# Altium PCB S6.PcbDoc (part 8 of 14) (continued)
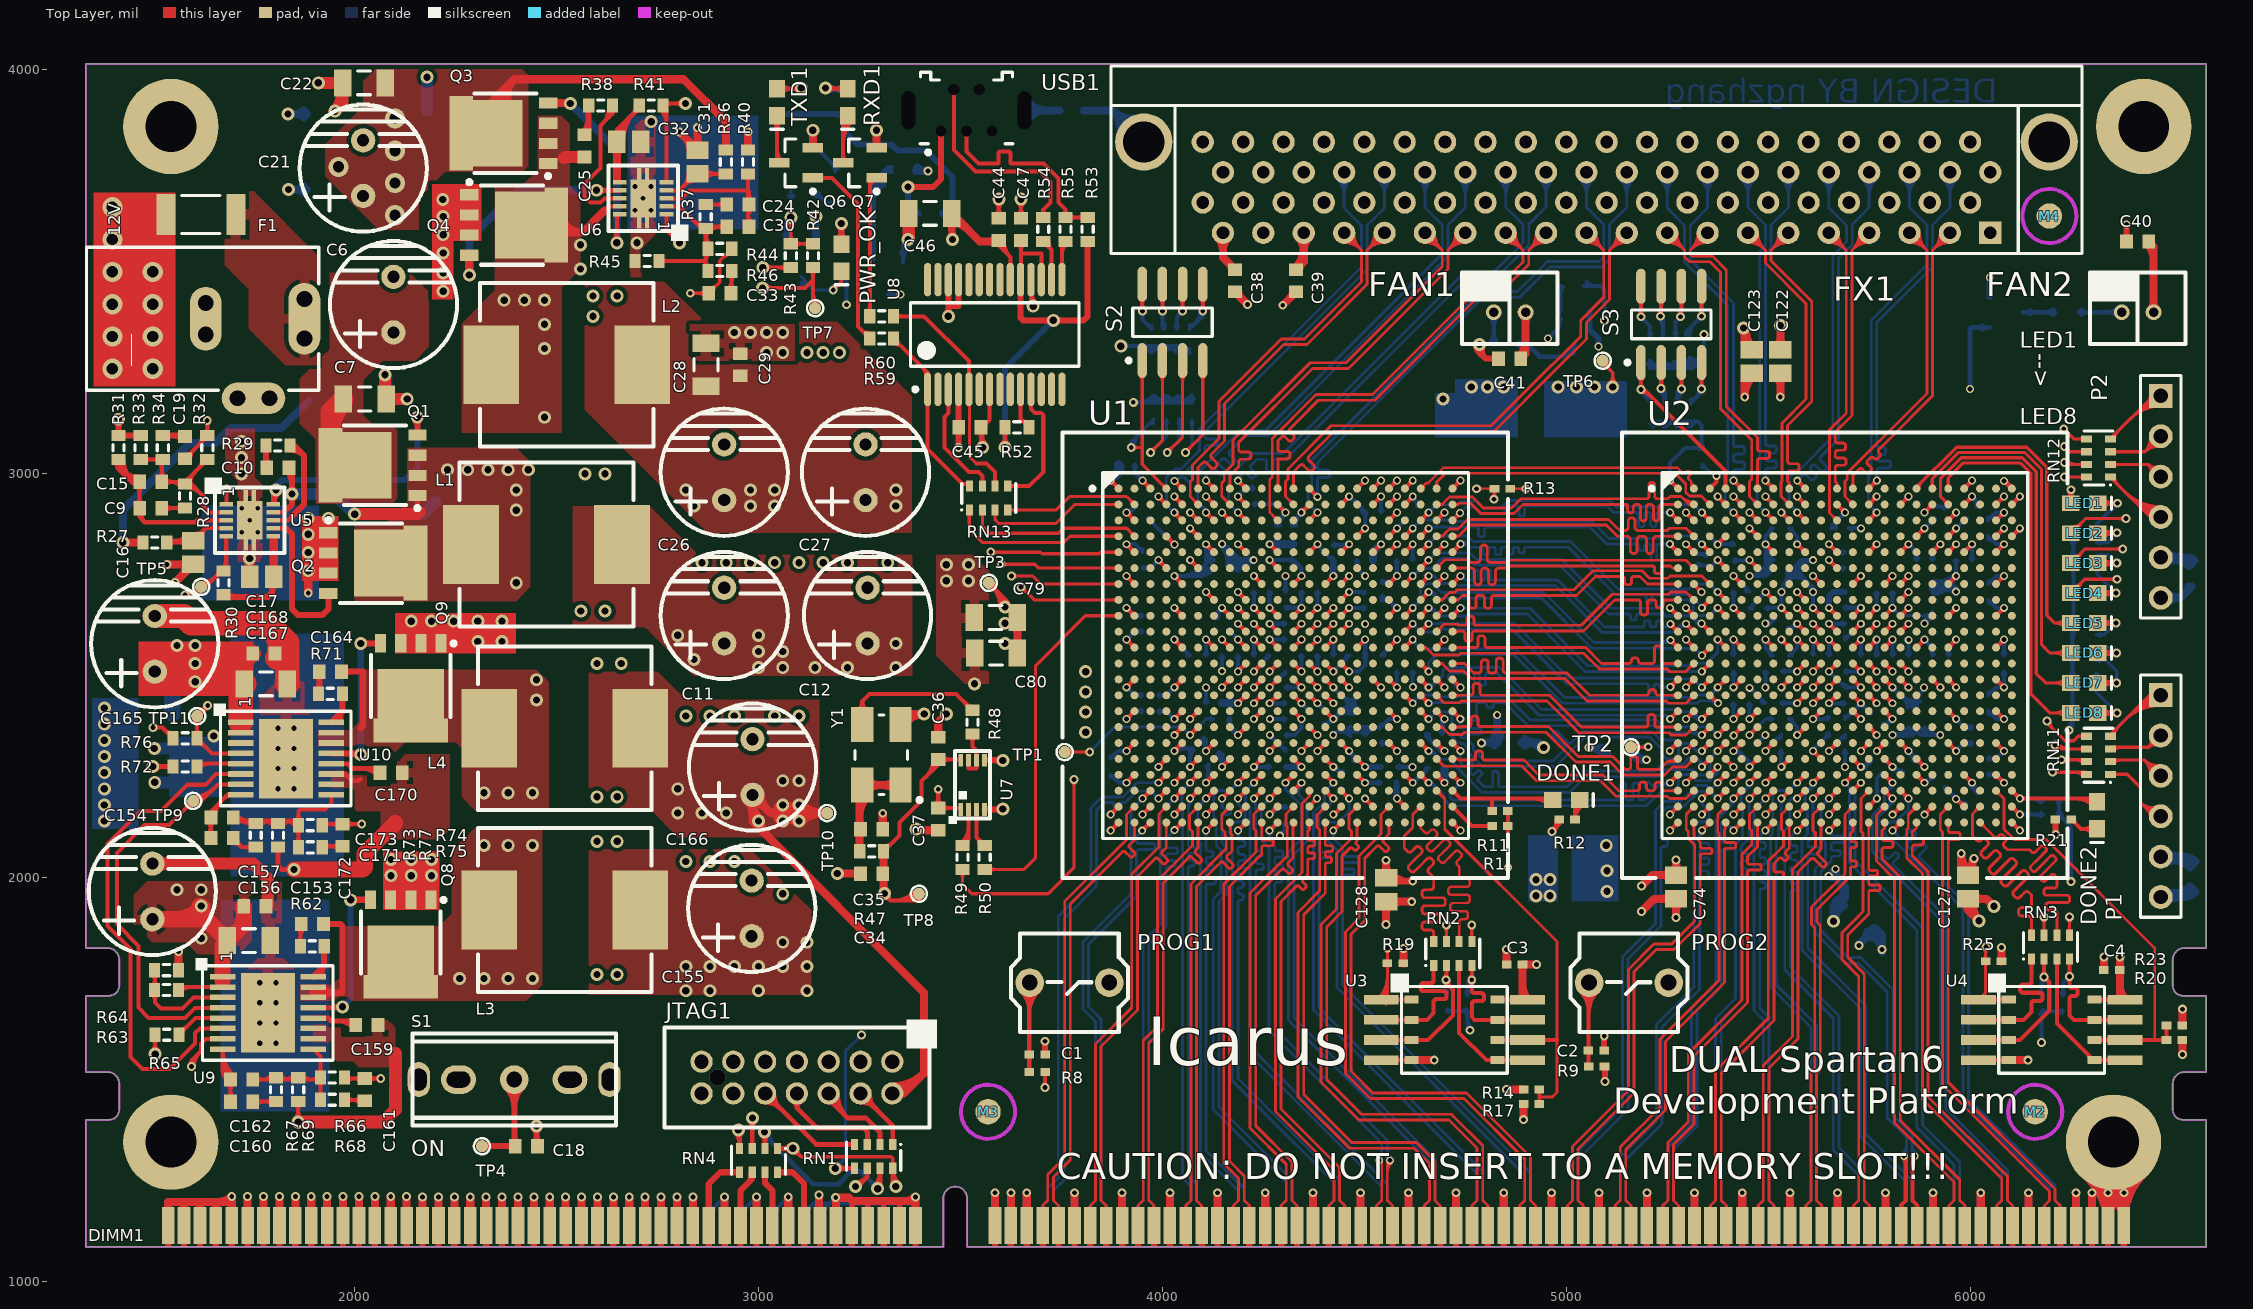
[diagram p0: Top Layer view]
## Nets (pads, with @x,y where several pads share a name; then routed paths per layer and width w, separated by ;. In a path a pad name is that pad's centre, name@x,y a point inside that pad or via, vN(x,y) a via of type N, cw(c..) or ccw(c..) an arc to the next point about the centre after c; other vN are vias at no path point) (continued)
ccw(c5299.45,2648.43) 5307.72,2656.69 ccw(c5315.98,2664.96) U2.J2@5315.98,2653.27 ; U2.E2@5311.14,2805.91 ccw(c5299.45,2805.91) 5307.72,2814.17 ccw(c5315.98,2822.44) U2.E2@5315.98,2810.75 ; v1(5375,2825) 5375,2825.55 U2.D4@5394.72,2845.28 ; v1@5375,2829.84 ccw(c5375,2840.2) 5382.33,2832.88 ; v1@5379.84,2825 cw(c5392.86,2825) 5383.66,2834.21 ; U2.D4@5389.88,2845.28 cw(c5378.19,2845.28) 5386.46,2837.01 cw(c5394.72,2828.74) U2.D4@5394.72,2840.43 ; U2.V4@5394.72,2289.25 cw(c5394.72,2279.54) 5401.59,2286.41 ; U2.V4@5394.72,2294.09 5394.72,2293.28 v1(5414,2274) ; U2.V4@5399.57,2294.09 ccw(c5413.23,2294.09) 5403.57,2284.43 ; v1@5409.16,2274 ccw(c5397.47,2274) 5405.73,2282.27 ccw(c5414,2290.53) v1@5414,2278.84 ; v1(5414.41,2156.3) U2.AA5@5434.09,2175.98 ; v1@5414.41,2161.14 ccw(c5414.41,2172.83) 5422.68,2164.56 ccw(c5430.94,2156.3) v1@5419.25,2156.3 ; v1(5414.41,2392.52) U2.R5@5434.09,2412.2 ; v1@5414.41,2397.36 ccw(c5414.41,2409.05) 5422.68,2400.79 ccw(c5430.94,2392.52) v1@5419.25,2392.52 ; v1@5414.41,2584.53 cw(c5414.41,2572.84) 5422.68,2581.1 cw(c5430.94,2589.37) v1@5419.25,2589.37 ; v1(5414.41,2589.37) U2.L5@5434.09,2569.69 ; v1@5414.41,2742.01 cw(c5414.41,2730.32) 5422.68,2738.58 cw(c5430.94,2746.85) v1@5419.25,2746.85 ; v1(5414.41,2746.85) U2.G5@5434.09,2727.17 ; v1@5414.41,2938.86 cw(c5414.41,2927.17) 5422.68,2935.44 cw(c5430.94,2943.7) v1@5419.25,2943.7 ; v1(5414.41,2943.7) U2.B5@5434.09,2924.02 ; U2.AA5@5429.25,2175.98 cw(c5417.56,2175.98) 5425.83,2167.72 cw(c5434.09,2159.45) U2.AA5@5434.09,2171.14 ; U2.R5@5429.25,2412.2 cw(c5417.56,2412.2) 5425.83,2403.94 cw(c5434.09,2395.67) U2.R5@5434.09,2407.36 ; U2.L5@5429.25,2569.69 ccw(c5417.56,2569.69) 5425.83,2577.95 ccw(c5434.09,2586.22) U2.L5@5434.09,2574.53 ; U2.G5@5429.25,2727.17 ccw(c5417.56,2727.17) 5425.83,2735.43 ccw(c5434.09,2743.7) U2.G5@5434.09,2732.01 ; U2.B5@5429.25,2924.02 ccw(c5417.56,2924.02) 5425.83,2932.28 ccw(c5434.09,2940.55) U2.B5@5434.09,2928.86 ; v1(5493.15,2235.04) U2.W7@5512.83,2254.72 ; v1@5493.15,2239.88 ccw(c5493.15,2251.57) 5501.42,2243.31 ccw(c5509.68,2235.04) v1@5497.99,2235.04 ; v1(5493.15,2313.78) U2.U7@5512.83,2333.46 ; v1@5493.15,2318.62 ccw(c5493.15,2330.31) 5501.42,2322.05 ccw(c5509.68,2313.78) v1@5497.99,2313.78 ; v1@5493.15,2702.64 cw(c5493.15,2690.95) 5501.42,2699.21 cw(c5509.68,2707.48) v1@5497.99,2707.48 ; v1(5493.15,2707.48) U2.H7@5512.83,2687.8 ; v1@5493.15,2820.75 cw(c5493.15,2809.06) 5501.42,2817.32 cw(c5509.68,2825.59) v1@5497.99,2825.59 ; v1(5493.15,2825.59) U2.E7@5512.83,2805.91 ; U2.W7@5507.99,2254.72 cw(c5496.3,2254.72) 5504.57,2246.46 cw(c5512.83,2238.19) U2.W7@5512.83,2249.88 ; U2.U7@5507.99,2333.46 cw(c5496.3,2333.46) 5504.57,2325.2 cw(c5512.83,2316.93) U2.U7@5512.83,2328.62 ; U2.H7@5507.99,2687.8 ccw(c5496.3,2687.8) 5504.57,2696.06 ccw(c5512.83,2704.33) U2.H7@5512.83,2692.64 ; U2.E7@5507.99,2805.91 ccw(c5496.3,2805.91) 5504.57,2814.17 ccw(c5512.83,2822.44) U2.E7@5512.83,2810.75 ; v1(5571.89,2156.3) U2.AA9@5591.57,2175.98 ; v1@5571.89,2161.14 ccw(c5571.89,2172.83) 5580.16,2164.56 ccw(c5588.42,2156.3) v1@5576.73,2156.3 ; v1(5571.89,2471.26) U2.N9@5591.57,2490.95 ; v1@5571.89,2476.1 ccw(c5571.89,2487.79) 5580.16,2479.53 ccw(c5588.42,2471.26) v1@5576.73,2471.26 ; v1@5571.89,2584.53 cw(c5571.89,2572.84) 5580.16,2581.1 cw(c5588.42,2589.37) v1@5576.73,2589.37 ; v1(5571.89,2589.37) U2.L9@5591.57,2569.69 ; v1@5571.89,2663.27 cw(c5571.89,2651.58) 5580.16,2659.84 cw(c5588.42,2668.11) v1@5576.73,2668.11 ; v1(5571.89,2668.11) U2.J9@5591.57,2648.43 ; v1@5571.89,2938.86 cw(c5571.89,2927.17) 5580.16,2935.44 cw(c5588.42,2943.7) v1@5576.73,2943.7 ; v1(5571.89,2943.7) U2.B9@5591.57,2924.02 ; U2.AA9@5586.73,2175.98 cw(c5575.04,2175.98) 5583.31,2167.72 cw(c5591.57,2159.45) U2.AA9@5591.57,2171.14 ; U2.N9@5586.73,2490.95 cw(c5575.04,2490.95) 5583.31,2482.68 cw(c5591.57,2474.41) U2.N9@5591.57,2486.1 ; U2.L9@5586.73,2569.69 ccw(c5575.04,2569.69) 5583.31,2577.95 ccw(c5591.57,2586.22) U2.L9@5591.57,2574.53 ; U2.J9@5586.73,2648.43 ccw(c5575.04,2648.43) 5583.31,2656.69 ccw(c5591.57,2664.96) U2.J9@5591.57,2653.27 ; U2.B9@5586.73,2924.02 ccw(c5575.04,2924.02) 5583.31,2932.28 ccw(c5591.57,2940.55) U2.B9@5591.57,2928.86 ; v1@5609,2314 v1@5610,2315 ; v1@5611.26,2308.94 cw(c5611.26,2297.24) 5619.53,2305.51 ; v1(5611.26,2313.78) U2.V10@5630.94,2294.09 ; v1(5611.26,2431.89) U2.P10@5630.94,2451.57 ; v1@5611.26,2436.73 ccw(c5611.26,2448.42) 5619.53,2440.16 ccw(c5627.79,2431.89) v1@5616.1,2431.89 ; v1(5611.26,2510.63) U2.M10@5630.94,2530.32 ; v1@5611.26,2515.47 ccw(c5611.26,2527.16) 5619.53,2518.9 ccw(c5627.79,2510.63) v1@5616.1,2510.63 ; v1@5611.26,2623.9 cw(c5611.26,2612.21) 5619.53,2620.47 cw(c5627.79,2628.74) v1@5616.1,2628.74 ; v1(5611.26,2628.74) U2.K10@5630.94,2609.06 ; v1@5616.1,2313.78 ccw(c5627.79,2313.78) 5619.52,2305.52 ; U2.V10@5626.1,2294.09 ccw(c5614.41,2294.09) 5622.68,2302.36 ccw(c5630.94,2310.63) U2.V10@5630.94,2298.94 ; U2.P10@5626.1,2451.57 cw(c5614.41,2451.57) 5622.68,2443.31 cw(c5630.94,2435.04) U2.P10@5630.94,2446.73 ; U2.M10@5626.1,2530.32 cw(c5614.41,2530.32) 5622.68,2522.05 cw(c5630.94,2513.78) U2.M10@5630.94,2525.47 ; U2.K10@5626.1,2609.06 ccw(c5614.41,2609.06) 5622.68,2617.32 ccw(c5630.94,2625.59) U2.K10@5630.94,2613.9 ; v1(5650.63,2471.26) U2.N11@5670.31,2490.95 ; v1@5650.63,2476.1 ccw(c5650.63,2487.79) 5658.9,2479.53 ccw(c5667.16,2471.26) v1@5655.47,2471.26 ; v1@5650.63,2584.53 cw(c5650.63,2572.84) 5658.9,2581.1 cw(c5667.16,2589.37) v1@5655.47,2589.37 ; v1(5650.63,2589.37) U2.L11@5670.31,2569.69 ; v1@5650.63,2663.27 cw(c5650.63,2651.58) 5658.9,2659.84 cw(c5667.16,2668.11) v1@5655.47,2668.11 ; v1(5650.63,2668.11) U2.J11@5670.31,2648.43 ; v1@5650.63,2820.75 cw(c5650.63,2809.06) 5658.9,2817.32 cw(c5667.16,2825.59) v1@5655.47,2825.59 ; v1(5650.63,2825.59) U2.E11@5670.31,2805.91 ; U2.N11@5665.47,2490.95 cw(c5653.78,2490.95) 5662.05,2482.68 cw(c5670.31,2474.41) U2.N11@5670.31,2486.1 ; U2.L11@5665.47,2569.69 ccw(c5653.78,2569.69) 5662.05,2577.95 ccw(c5670.31,2586.22) U2.L11@5670.31,2574.53 ; U2.J11@5665.47,2648.43 ccw(c5653.78,2648.43) 5662.05,2656.69 ccw(c5670.31,2664.96) U2.J11@5670.31,2653.27 ; U2.E11@5665.47,2805.91 ccw(c5653.78,2805.91) 5662.05,2814.17 ccw(c5670.31,2822.44) U2.E11@5670.31,2810.75 ; U2.P12@5709.69,2446.73 cw(c5709.69,2435.04) 5717.95,2443.31 cw(c5726.22,2451.57) U2.P12@5714.53,2451.57 ; U2.P12@5709.69,2451.57 v1(5729.37,2431.89) ; U2.M12@5709.69,2525.47 cw(c5709.69,2513.78) 5717.95,2522.05 cw(c5726.22,2530.32) U2.M12@5714.53,2530.32 ; U2.M12@5709.69,2530.32 v1(5729.37,2510.63) ; U2.K12@5709.69,2609.06 v1(5729.37,2628.74) ; U2.K12@5709.69,2613.9 ccw(c5709.69,2625.59) 5717.95,2617.32 ccw(c5726.22,2609.06) U2.K12@5714.53,2609.06 ; v1@5724.53,2431.89 ccw(c5712.84,2431.89) 5721.1,2440.16 ccw(c5729.37,2448.42) v1@5729.37,2436.73 ; v1@5724.53,2510.63 ccw(c5712.84,2510.63) 5721.1,2518.9 ccw(c5729.37,2527.16) v1@5729.37,2515.47 ; v1@5724.53,2628.74 cw(c5712.84,2628.74) 5721.1,2620.47 cw(c5729.37,2612.21) v1@5729.37,2623.9 ; U2.AA13@5749.06,2175.98 5749.06,2176.06 v1(5769,2196) ; U2.AA13@5749.06,2180.83 ccw(c5749.06,2192.35) 5757.2,2184.2 ; U2.N13@5749.06,2486.1 cw(c5749.06,2474.41) 5757.32,2482.68 cw(c5765.59,2490.95) U2.N13@5753.9,2490.95 ; U2.N13@5749.06,2490.95 v1(5768.74,2471.26) ; U2.L13@5749.06,2569.69 v1(5768.74,2589.37) ; U2.L13@5749.06,2574.53 ccw(c5749.06,2586.22) 5757.32,2577.95 ccw(c5765.59,2569.69) U2.L13@5753.9,2569.69 ; U2.J13@5749.06,2648.43 v1(5768.74,2668.11) ; U2.J13@5749.06,2653.27 ccw(c5749.06,2664.96) 5757.32,2656.69 ccw(c5765.59,2648.43) U2.J13@5753.9,2648.43 ; U2.B13@5749.06,2924.02 v1(5768.74,2943.7) ; U2.B13@5749.06,2928.86 ccw(c5749.06,2940.55) 5757.32,2932.28 ccw(c5765.59,2924.02) U2.B13@5753.9,2924.02 ; U2.AA13@5753.9,2175.98 cw(c5765.76,2175.98) 5757.37,2184.37 ; v1@5763.9,2471.26 ccw(c5752.21,2471.26) 5760.47,2479.53 ccw(c5768.74,2487.79) v1@5768.74,2476.1 ; v1@5763.9,2589.37 cw(c5752.21,2589.37) 5760.47,2581.1 cw(c5768.74,2572.84) v1@5768.74,2584.53 ; v1@5763.9,2668.11 cw(c5752.21,2668.11) 5760.47,2659.84 cw(c5768.74,2651.58) v1@5768.74,2663.27 ; v1@5763.9,2943.7 cw(c5752.21,2943.7) 5760.47,2935.44 cw(c5768.74,2927.17) v1@5768.74,2938.86 ; v1@5764.16,2196 cw(c5752.47,2196) 5760.73,2187.73 cw(c5769,2179.47) v1@5769,2191.16 ; U2.V14@5788.43,2289.25 cw(c5788.43,2277.56) 5796.69,2285.83 cw(c5804.96,2294.09) U2.V14@5793.27,2294.09 ; U2.V14@5788.43,2294.09 v1(5808.11,2274.41) ; U2.P14@5788.43,2446.73 cw(c5788.43,2435.04) 5796.69,2443.31 cw(c5804.96,2451.57) U2.P14@5793.27,2451.57 ; U2.P14@5788.43,2451.57 v1(5808.11,2431.89) ; U2.M14@5788.43,2525.47 cw(c5788.43,2513.78) 5796.69,2522.05 cw(c5804.96,2530.32) U2.M14@5793.27,2530.32 ; U2.M14@5788.43,2530.32 v1(5808.11,2510.63) ; U2.K14@5788.43,2609.06 v1(5808.11,2628.74) ; U2.K14@5788.43,2613.9 ccw(c5788.43,2625.59) 5796.69,2617.32 ccw(c5804.96,2609.06) U2.K14@5793.27,2609.06 ; v1@5803.27,2274.41 ccw(c5791.58,2274.41) 5799.84,2282.68 ccw(c5808.11,2290.94) v1@5808.11,2279.25 ; v1@5803.27,2431.89 ccw(c5791.58,2431.89) 5799.84,2440.16 ccw(c5808.11,2448.42) v1@5808.11,2436.73 ; v1@5803.27,2510.63 ccw(c5791.58,2510.63) 5799.84,2518.9 ccw(c5808.11,2527.16) v1@5808.11,2515.47 ; v1@5803.27,2628.74 cw(c5791.58,2628.74) 5799.84,2620.47 cw(c5808.11,2612.21) v1@5808.11,2623.9 ; U2.N15@5827.8,2486.1 cw(c5827.8,2474.41) 5836.06,2482.68 cw(c5844.33,2490.95) U2.N15@5832.64,2490.95 ; U2.N15@5827.8,2490.95 v1(5847.48,2471.26) ; U2.J15@5827.8,2648.43 v1(5847.48,2668.11) ; U2.J15@5827.8,2653.27 ccw(c5827.8,2664.96) 5836.06,2656.69 ccw(c5844.33,2648.43) U2.J15@5832.64,2648.43 ; U2.E15@5827.8,2805.91 v1(5847.48,2825.59) ; U2.E15@5827.8,2810.75 ccw(c5827.8,2822.44) 5836.06,2814.17 ccw(c5844.33,2805.91) U2.E15@5832.64,2805.91 ; v1@5842.64,2471.26 ccw(c5830.95,2471.26) 5839.21,2479.53 ccw(c5847.48,2487.79) v1@5847.48,2476.1 ; v1@5842.64,2668.11 cw(c5830.95,2668.11) 5839.21,2659.84 cw(c5847.48,2651.58) v1@5847.48,2663.27 ; v1@5842.64,2825.59 cw(c5830.95,2825.59) 5839.21,2817.32 cw(c5847.48,2809.06) v1@5847.48,2820.75 ; U2.W16@5867.17,2249.88 cw(c5867.17,2238.19) 5875.43,2246.46 cw(c5883.7,2254.72) U2.W16@5872.01,2254.72 ; U2.W16@5867.17,2254.72 v1(5886.85,2235.04) ; v1@5882.01,2235.04 ccw(c5870.32,2235.04) 5878.58,2243.31 ccw(c5886.85,2251.57) v1@5886.85,2239.88 ; v1(5887,2156) 5887,2156.45 U2.AA17@5906.54,2175.98 ; v1@5887,2160.84 ccw(c5887,2171.45) 5894.5,2163.95 ; v1(5887,2904) v1@5886.52,2904 ; v1@5887,2908.84 ccw(c5887,2919.37) 5894.45,2911.93 ; v1@5891.84,2156 cw(c5904.62,2156) 5895.58,2165.03 ; v1@5891.84,2904 cw(c5904.69,2904) 5895.61,2913.09 ; U2.AA17@5901.69,2175.98 cw(c5890,2175.98) 5898.27,2167.72 cw(c5906.54,2159.45) U2.AA17@5906.54,2171.14 ; U2.B17@5901.69,2924.02 cw(c5890,2924.02) 5898.27,2915.75 cw(c5906.54,2907.48) U2.B17@5906.54,2919.17 ; U2.N17@5906.54,2486.1 cw(c5906.54,2474.41) 5914.8,2482.68 cw(c5923.07,2490.95) U2.N17@5911.38,2490.95 ; U2.N17@5906.54,2490.95 v1(5926.22,2471.26) ; U2.B17@5906.54,2924.02 v1@5886.52,2904 ; v1@5921.38,2471.26 ccw(c5909.69,2471.26) 5917.95,2479.53 ccw(c5926.22,2487.79) v1@5926.22,2476.1 ; U2.R18@5945.91,2407.36 cw(c5945.91,2395.67) 5954.17,2403.94 cw(c5962.44,2412.2) U2.R18@5950.75,2412.2 ; U2.R18@5945.91,2412.2 v1(5965.59,2392.52) ; U2.L18@5945.91,2569.69 v1(5965.59,2589.37) ; U2.L18@5945.91,2574.53 ccw(c5945.91,2586.22) 5954.17,2577.95 ccw(c5962.44,2569.69) U2.L18@5950.75,2569.69 ; U2.G18@5945.91,2727.17 v1(5965.59,2746.85) ; U2.G18@5945.91,2732.01 ccw(c5945.91,2743.7) 5954.17,2735.43 ccw(c5962.44,2727.17) U2.G18@5950.75,2727.17 ; U2.D18@5945.91,2845.28 v1(5965.59,2864.96) ; U2.D18@5945.91,2850.12 ccw(c5945.91,2861.81) 5954.17,2853.54 ccw(c5962.44,2845.28) U2.D18@5950.75,2845.28 ; v1@5960.75,2392.52 ccw(c5949.06,2392.52) 5957.32,2400.79 ccw(c5965.59,2409.05) v1@5965.59,2397.36 ; v1@5960.75,2589.37 cw(c5949.06,2589.37) 5957.32,2581.1 cw(c5965.59,2572.84) v1@5965.59,2584.53 ; v1@5960.75,2746.85 cw(c5949.06,2746.85) 5957.32,2738.58 cw(c5965.59,2730.32) v1@5965.59,2742.01 ; v1@5960.75,2864.96 cw(c5949.06,2864.96) 5957.32,2856.7 cw(c5965.59,2848.43) v1@5965.59,2860.12 ; U2.W19@5985.28,2249.88 cw(c5985.28,2238.19) 5993.54,2246.46 cw(c6001.81,2254.72) U2.W19@5990.12,2254.72 ; U2.W19@5985.28,2254.72 v1(6004.96,2235.04) ; v1@6000.12,2235.04 ccw(c5988.43,2235.04) 5996.69,2243.31 ccw(c6004.96,2251.57) v1@6004.96,2239.88 ; U4.4@6057.21,1543.18 cw(c6068.84,1531.56) 6068.84,1548 cw(c6068.84,1564.44) U4.4@6057.21,1552.82 ; U2.U21@6064.02,2328.62 cw(c6064.02,2316.93) 6072.28,2325.2 cw(c6080.55,2333.46) U2.U21@6068.86,2333.46 ; U2.U21@6064.02,2333.46 v1(6083.7,2313.78) ; U2.N21@6064.02,2486.1 cw(c6064.02,2474.41) 6072.28,2482.68 cw(c6080.55,2490.95) U2.N21@6068.86,2490.95 ; U2.N21@6064.02,2490.95 v1(6083.7,2471.26) ; U2.J21@6064.02,2648.43 v1(6083.7,2668.11) ; U2.J21@6064.02,2653.27 ccw(c6064.02,2664.96) 6072.28,2656.69 ccw(c6080.55,2648.43) U2.J21@6068.86,2648.43 ; U2.E21@6064.02,2805.91 v1(6083.7,2825.59) ; U2.E21@6064.02,2810.75 ccw(c6064.02,2822.44) 6072.28,2814.17 ccw(c6080.55,2805.91) U2.E21@6068.86,2805.91 ; v1@6078.86,2313.78 ccw(c6067.17,2313.78) 6075.44,2322.05 ccw(c6083.7,2330.31) v1@6083.7,2318.62 ; v1@6078.86,2471.26 ccw(c6067.17,2471.26) 6075.44,2479.53 ccw(c6083.7,2487.79) v1@6083.7,2476.1 ; v1@6078.86,2668.11 cw(c6067.17,2668.11) 6075.44,2659.84 cw(c6083.7,2651.58) v1@6083.7,2663.27 ; v1@6078.86,2825.59 cw(c6067.17,2825.59) 6075.44,2817.32 cw(c6083.7,2809.06) v1@6083.7,2820.75 ; U4.4@6084.57,1544.58 ccw(c6076.31,1536.31) 6076.31,1548 ccw(c6076.31,1559.69) U4.4@6084.57,1551.42 ; v1@6084.77,2982 v1(6084,2982) 6102.61,2963.39 U2.A22@6103.39,2963.39 ; v1@6088.47,2983.86 ccw(c6116.13,2995.39) U2.A22@6104.72,2967.68 ; v1@6088.78,2982.78 ccw(c6105.15,2985.44) U2.A22@6098.83,2970.1 ; 6093.8,2972.2 ccw(c6103.39,2981.78) U2.A22@6103.39,2968.23 ; 6095.66,2970.33 cw(c6088.72,2963.39) U2.A22@6098.54,2963.39 ; U2.AB22@6103.39,2131.77 cw(c6103.39,2120.08) 6111.65,2128.35 cw(c6119.92,2136.61) U2.AB22@6108.23,2136.61 ; U2.AB22@6103.39,2136.61 v1(6123.07,2116.93) ; v1@6118.23,2116.93 ccw(c6106.54,2116.93) 6114.81,2125.19 ccw(c6123.07,2133.46) v1@6123.07,2121.77 ; v1@5886.52,2904 5885.26,2904 5884.63,2903.37 5885.89,2903.37 v1@5886.52,2904 ; v1@6084,2977.16 cw(c6084,2965.47) 6092.27,2973.73 cw(c6100.53,2982) v1@6088.84,2982 ; v1@6084.01,2977.16 cw(c6084.04,2965.58) 6092.2,2973.79 ccw(c6084.04,2965.58) v1@6084.01,2977.16 ; v1@6088.84,2982.01 ccw(c6100.65,2982.04) 6092.32,2973.67 cw(c6100.65,2982.04) v1@6088.84,2982.01
  Top Layer w12: v2(1500,2275) R72.2@1550.47,2275 ; v2@1507.07,2267.93 cw(c1524.14,2250.86) 1524.14,2275 cw(c1524.14,2299.14) v2@1507.07,2282.07 ; R72.2@1544.97,2269.5 ccw(c1531.69,2256.22) 1531.69,2275 ccw(c1531.69,2293.78) R72.2@1544.97,2280.5 ; R77.2@1804.5,2069.97 cw(c1791.22,2056.69) 1810,2056.69 cw(c1828.78,2056.69) R77.2@1815.5,2069.97 ; R77.2@1810,2075.47 1810,2030 1820,2020 v2(1850,2020) ; v2@1842.93,2012.93 ccw(c1825.86,1995.86) 1825.86,2020 ccw(c1825.86,2044.14) v2@1842.93,2027.07 ; U10.11@1942.2,2256.61 1978.39,2256.61 1995,2240 2010,2240 2015,2245 ; U10.11@1966.81,2255.72 cw(c1966.81,2225.63) 1988.09,2246.91
  Top Layer w15: v2@1408.99,3128.99 cw(c1394.48,3114.48) 1415,3114.48 cw(c1435.52,3114.48) v2@1421.01,3128.99 ; R31.1@1410.56,3098.97 ccw(c1399.84,3109.69) 1415,3109.69 ccw(c1430.16,3109.69) R31.1@1419.44,3098.97 ; v2(1415,3135) R31.1@1415,3094.53 R33.2@1470,3094.53 ; R31.1@1423.38,3090.09 cw(c1434.1,3079.37) 1434.1,3094.53 cw(c1434.1,3109.69) R31.1@1423.38,3098.97 ; R33.2@1461.62,3090.09 ccw(c1450.9,3079.37) 1450.9,3094.53 ccw(c1450.9,3109.69) R33.2@1461.62,3098.97 ; v2@2443.99,1378.99 cw(c2429.48,1364.48) 2450,1364.48 cw(c2470.52,1364.48) v2@2456.01,1378.99 ; 2450,1363.06 ccw(c2478.65,1363.06) C18.1@2458.39,1342.8 ; v2(2450,1385) 2450,1339.53 C18.1@2454.53,1335 ; v2@3463.99,3396.01 ccw(c3449.86,3410.14) 3469.84,3410.14 ; 3469.84,3410.9 ccw(c3490.9,3410.9) v2@3476.01,3396.01 ; U8.26@3469.84,3480.83 3469.84,3415 ; v2(3470,3390) 3469.84,3390.16 3469.84,3415 ; U8.25@3495.43,3480.83 3495.43,3415.43 3495,3415 3469.84,3415 ; U7.4@3559.53,2168.98 3603.98,2168.98 v2(3605,2170) ; U7.5@3559.53,2291.02 3603.98,2291.02 v2(3605,2290) ; 3582.01,2168.98 ccw(c3582.01,2192.99) v2@3598.99,2176.01 ; 3582.01,2291.02 cw(c3582.01,2267.01) v2@3598.99,2283.99 ; 3586.95,2168.98 cw(c3586.95,2151.95) v2@3598.99,2163.99 ; 3586.95,2291.02 ccw(c3586.95,2308.05) v2@3598.99,2296.01 ; v3(3709,1595) 3709.69,1594.31 C1.2@3709.69,1562 ; v2@4778.9,3322.25 ccw(c4797.32,3315.45) 4783.44,3301.56 ; v2@4779.1,3313.88 cw(c4765.72,3300) 4785,3300 ; v2(4785,3320) 4785,3300 ; v2@4790.9,3313.88 ccw(c4804.28,3300) 4785,3300 ; v2@4792.97,3317.05 ccw(c4821.51,3306.51) 4800,3285 ; C41.2@4826.61,3279.17 ccw(c4812.53,3265.09) 4812.53,3285 ccw(c4812.53,3304.91) C41.2@4826.61,3290.83 ; C41.2@4832.44,3285 4800,3285 ; C2.2@5093.69,1572 5093.69,1607.69 v3(5094,1608) ; R21.2@6211.31,2144 6211.31,2107.69 v3(6212,2107) ; C40.2@6381.61,3582.8 ccw(c6367.53,3596.88) 6387.44,3596.88 ccw(c6407.35,3596.88) C40.2@6393.27,3582.8 ; C40.2@6387.44,3575 v1(6387.44,3617.44) ; 4785,3300 4800,3285
  Top Layer w20: v3(1535,2775) 1535.47,2775.47 C16.2@1600,2775.47 v3(1555,2730.47) ; R64.2@1563.53,1776 1563.53,1816.53 v8(1564,1817) ; 1570.03,2745.5 ccw(c1540.05,2775.47) C16.2@1582.44,2775.47 ; C16.2@1585.85,2767.23 ccw(c1565.96,2747.34) 1565.96,2775.47 ccw(c1565.96,2803.61) C16.2@1585.85,2783.71 ; v3(1885,2705) v2(1885,2760) ; DIMM1.17@2168.05,1138.6 v3(2168.05,1209.06) ; DIMM1.18@2207.43,1138.6 v3(2207.43,1209.06) ; DIMM1.19@2246.8,1138.6 v3(2246.8,1209.06) ; DIMM1.20@2286.16,1138.6 v3(2286.16,1209.06) ; DIMM1.21@2325.54,1138.6 v3(2325.54,1209.06) ; DIMM1.22@2364.91,1138.6 v3(2364.91,1209.06) ; DIMM1.23@2404.28,1138.6 v3(2404.28,1209.06) ; DIMM1.24@2443.65,1138.6 v3(2443.65,1209.06) ; DIMM1.25@2483.02,1138.6 v3(2483.02,1209.06) ; DIMM1.26@2522.39,1138.6 v3(2522.39,1209.06) ; DIMM1.27@2561.76,1138.6 v3(2561.76,1209.06) ; DIMM1.28@2601.13,1138.6 v3(2601.13,1209.06) ; DIMM1.29@2640.5,1138.6 v3(2640.5,1209.06) ; DIMM1.30@2679.87,1138.6 v3(2679.87,1209.06) ; DIMM1.31@2719.24,1138.6 v3(2719.24,1209.06) ; DIMM1.32@2758.61,1138.6 v3(2758.61,1209.06) ; DIMM1.33@2797.98,1138.6 v3(2797.98,1209.06) ; v3(2804,3846.53) C31.1@2849,3801.53 v3(2849,3857) ; 2819.03,3831.5 cw(c2789.05,3801.53) C31.1@2831.44,3801.53 ; DIMM1.34@2837.35,1138.6 v3(2837.35,1209.06) ; C31.1@2840.76,3809.77 ccw(c2820.87,3829.66) 2849,3829.66 ccw(c2877.13,3829.66) C31.1@2857.24,3809.77 ; DIMM1.36@2916.09,1138.6 v3(2916.09,1209.06) ; R40.1@2974,3801.53 v3(2974,3847) ; DIMM1.38@2994.83,1138.6 v3(2994.83,1209.06) ; DIMM1.40@3073.57,1138.6 v3(3073.57,1209.06) ; Q6.2@3134.34,3807.4 v2(3134.34,3850.66) ; DIMM1.43@3191.68,1138.6 3191.68,1207.32 3223.84,1207.32 3232.16,1199 3378.47,1199 ; v2(3195,2010) C34.1@3252.44,2010 ; Q7.2@3292.34,3807.4 v2(3292.34,3850.66) ; C35.1@3307.56,2120 v3(3307.56,2159.56) ; Y1.2@3351.26,2378.82 3377.44,2405 v2(3410,2405) ccw(c3410,2346.94) Y1.2@3364.9,2383.51 ; 3361.84,1199 ccw(c3361.84,1235.74) v3@3387.82,1209.76 ; DIMM1.48@3388.53,1138.6 v3(3388.53,1209.06) ; v2(3390,2120) 3392.56,2117.44 C37.1@3445,2117.44 ; v2@3394.24,2124.24 ccw(c3410.66,2140.66) 3410.66,2117.44 ; C36.2@3445,2347.56 3445,2385 v2(3465,2405) ; DIMM1.49@3585.38,1138.6 v3(3585.38,1219.75) ; DIMM1.50@3624.75,1138.6 v3(3624.75,1219.75) ; DIMM1.51@3664.12,1138.6 v3(3664.12,1219.75) ; DIMM1.54@3782.23,1138.6 v3(3782.23,1219.75) ; DIMM1.57@3900.34,1138.6 v3(3900.34,1219.75) ; DIMM1.60@4018.45,1138.6 v3(4018.45,1219.75) ; DIMM1.63@4136.56,1138.6 v3(4136.56,1219.75) ; C38.1@4180,3450.44 v3(4211,3419.44) ; C38.1@4187.72,3450.44 ccw(c4206.35,3450.44) C38.1@4193.17,3437.27 ; DIMM1.66@4254.67,1138.6 v3(4254.67,1219.75) ; v3(4298,3417.44) C39.1@4331,3450.44 ; C39.1@4317.83,3437.27 ccw(c4304.65,3450.44) C39.1@4323.28,3450.44 ; DIMM1.69@4372.78,1138.6 v3(4372.78,1219.75) ; DIMM1.72@4490.89,1138.6 v3(4490.89,1219.75) ; C128.1@4545.76,1932.23 cw(c4525.87,1912.34) 4554,1912.34 cw(c4582.13,1912.34) C128.1@4562.24,1932.23 ; v3(4554,1884) C128.1@4554,1940.47 v3(4617.53,1940.47) ; C128.1@4568.15,1932.23 cw(c4588.04,1912.34) 4588.04,1940.47 cw(c4588.04,1968.61) C128.1@4568.15,1948.71 ; DIMM1.75@4609,1138.6 v3(4609,1219.75) ; U3.4@4619.65,1548 v3(4673,1548) ; DIMM1.78@4727.11,1138.6 v3(4727.11,1219.75) ; DIMM1.81@4845.22,1138.6 v3(4845.22,1219.75) ; C3.1@4852.31,1785 v3(4852.31,1822.32) ; v3(4894.31,1400.69) R17.2@4894.31,1439 ; DIMM1.84@4963.33,1138.6 v3(4963.33,1219.75) ; DIMM1.87@5081.44,1138.6 v3(5081.44,1219.75) ; v3(5186,1916) 5217.47,1947.47 C74.1@5272,1947.47 v3(5272,1901) ; DIMM1.90@5199.55,1138.6 v3(5199.55,1219.75) ; C74.1@5257.85,1939.23 ccw(c5237.96,1919.34) 5237.96,1947.47 ccw(c5237.96,1975.61) C74.1@5257.85,1955.71 ; C74.1@5263.76,1939.23 cw(c5243.87,1919.34) 5272,1919.34 cw(c5300.13,1919.34) C74.1@5280.24,1939.23 ; DIMM1.93@5317.66,1138.6 v3(5317.66,1219.75) ; v2@5434.76,3356.76 cw(c5417.27,3339.27) 5442,3339.27 ; DIMM1.96@5435.77,1138.6 v3(5435.77,1219.75) ; v2@5436,3355.8 cw(c5425.14,3336.99) 5446.12,3342.61 ; v2(5439,3361) v2@5442,3358 ; C123.1@5459,3307.53 5442,3324.53 v2@5442,3358 ; C123.1@5460.81,3316.26 cw(c5497.71,3358) v2@5442,3358 ; C122.1@5521.76,3315.77 ccw(c5501.87,3335.66) 5530,3335.66 ccw(c5558.13,3335.66) C122.1@5538.24,3315.77 ; C122.1@5530,3307.53 v2(5530,3367) ; DIMM1.99@5553.88,1138.6 v3(5553.88,1219.75) ; DIMM1.102@5671.99,1138.6 v3(5671.99,1219.75) ; DIMM1.105@5790.1,1138.6 v3(5790.1,1219.75) ; DIMM1.108@5908.21,1138.6 v3(5908.21,1219.75) ; C127.1@5986.9,1939.09 cw(c5968.45,1920) 5995,1920 ; C127.1@5993.16,1950.58 ccw(c6024.25,1938.12) 6000.57,1914.43 ; C127.1@6003.1,1939.09 ccw(c6021.55,1920) 5995,1920 ; C127.1@6009.15,1939.23 cw(c6029.04,1919.34) 6029.04,1947.47 cw(c6029.04,1975.61) C127.1@6009.15,1955.71 ; C127.1@6011.72,1943.14 ccw(c6054.85,1925.86) v2(6022,1893) 5995,1920 ; DIMM1.111@6026.32,1138.6 v3(6026.32,1219.75) ; v2(6059,1929) 6040.53,1947.47 C127.1@5995,1947.47 5995,1920 ; U4.4@6098.65,1548 v3(6143,1548) ; DIMM1.114@6144.43,1138.6 v3(6144.43,1219.75) ; DIMM1.117@6262.54,1138.6 v3(6262.54,1219.75) ; pad.0@6284.15,1263.34 cw(c6175.55,1138.15) 6341.28,1138.15 cw(c6469.68,1138.15) pad.0@6407.42,1250.45 ; pad.0@6297.26,1278.44 cw(c6213.57,1181.98) DIMM1.119@6341.28,1181.98 ; DIMM1.118@6301.91,1138.6 v3(6301.91,1219.75) ; pad.0@6310.16,1246.63 cw(c6260.19,1137.02) DIMM1.120@6380.65,1137.02 ; pad.0@6310.37,1293.55 cw(c6251.6,1225.81) v3@6341.28,1225.81 ; pad.0@6318.45,1264.83 cw(c6274.36,1168.12) DIMM1.120@6380.65,1168.12 ; pad.0@6324.62,1241.25 cw(c6318.1,1219) 6341.28,1219 cw(c6359.24,1219) pad.0@6358.63,1236.95 ; pad.0@6326.75,1283.03 cw(c6288.54,1199.21) 6380.65,1199.21 ; 6329.74,1228.75 ccw(c6345.3,1238.92) v3@6341.49,1220.73 ; C4.1@6331.31,1771 v3(6331.31,1803.68) ; pad.0@6332.79,1231.1 cw(c6322.62,1216.27) v3@6340.3,1219.57 ; 6338.09,1202.97 cw(c6359.63,1206.24) v3@6342.09,1219.16 ; v3@6340.46,1219.18 cw(c6313.71,1200.51) 6345.69,1194.08 ; v3@6340.99,1218.79 cw(c6336.01,1202.14) 6351.31,1210.39 ; v3@6341.2,1220.75 ccw(c6338.2,1256.94) pad.0@6365.91,1233.47 ; DIMM1.119@6341.28,1138.6 v3(6341.28,1219.75) ; DIMM1.119@6341.28,1172.11 cw(c6450.85,1172.11) pad.0@6397.72,1267.94 ; 6341.28,1206.07 cw(c6432.03,1206.07) pad.0@6388.03,1285.43 ; pad.0@6350.24,1235.42 ccw(c6383.19,1264.86) v3@6380.71,1220.75 ; 6364.89,1205.12 cw(c6389.44,1192.56) v3@6380.96,1218.8 ; 6375.57,1191.63 cw(c6409.04,1198.86) v3@6381.46,1219.16 ; DIMM1.120@6380.65,1138.6 v3(6380.65,1219.75) ; DIMM1.120@6380.65,1145.92 cw(c6554.08,1145.92) pad.0@6431.45,1268.55 ; 6380.65,1194.21 cw(c6505.79,1194.21) pad.0@6417.3,1282.7 ; v3@6380.65,1217.15 cw(c6412.87,1217.15) pad.0@6399.59,1246.51 ; v3@6381.64,1219.63 cw(c6409.57,1216.33) pad.0@6392.16,1238.41 ; R23.2@6525.69,1634 v3(6525.69,1674.31)
  Top Layer w30: C154.2@1499,2034.8 1748.2,2034.8 1785,1998 1785,1933.44 C157.1@1780.56,1929 ; C154.2@1509.61,2024.19 cw(c1535.21,1998.58) 1535.21,2034.8 cw(c1535.21,2071.01) C154.2@1509.61,2045.4 ; v2(1910,3968) C22.1@1969.85,3968 1969.85,3916.85 v2(1951,3898) ; v2@1950.29,3898.71 ccw(c1903.08,3945.92) C22.1@1969.85,3945.92 ; 2075,3220.48 ccw(c2101.82,3220.48) C7.1@2082.85,3201.52 ; v2(2075,3245) 2075,3188.15 C7.1@2078.15,3185 v2(2130,3185) ; v2(3370,3580) 3371.85,3581.85 C46.1@3371.85,3645
  Top Layer w32: v2(1860,1395) 2070,1395 2101,1426 2101,1565